# Allegro board GPS_INTERFACE_BOARD_v24_test_SFP_.brd (continued)
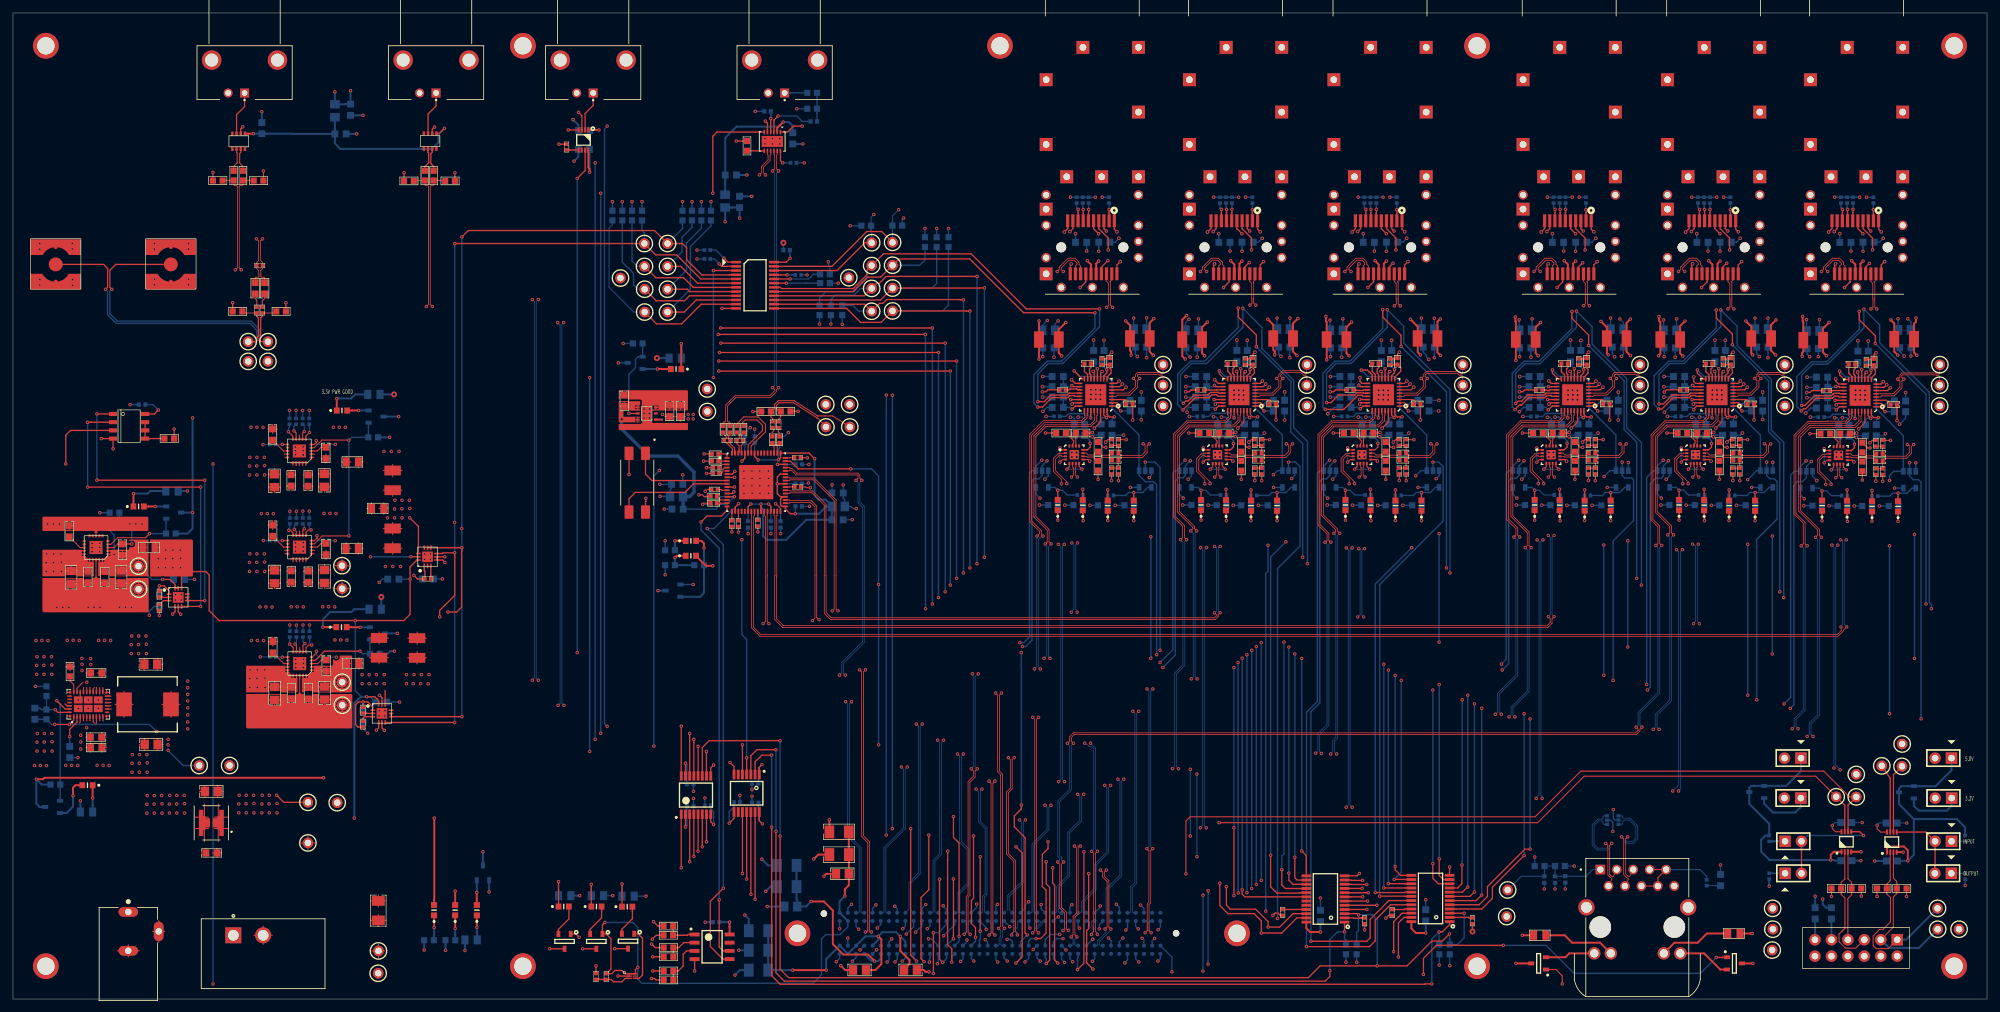
[diagram p0: board, top side]
## Footprints (pads in the part's own frame, mm; a bottom-side part is the same pattern mirrored in y, then rotated) (continued)
QFN12
  rect 0.711x0.254 smd: 1(-1.4,0.5) 2(-1.4,0) 3(-1.4,-0.5) 7(1.4,-0.5) 8(1.4,0) 9(1.4,0.5)
  rect 0.254x0.711 smd: 4(-0.5,-1.4) 5(0,-1.4) 6(0.5,-1.4) 10(0.5,1.4) 11(0,1.4) 12(-0.5,1.4)
  rect 1.651x1.651 smd: 13(0,0)
QFN20_3P65MMSQ
  rrect 0.51x0.305 smd: 1(-1.82,1) 2(-1.82,0.5) 3(-1.82,0) 4(-1.82,-0.5) 5(-1.82,-1) 11(1.82,-1) 12(1.82,-0.5) 13(1.82,0) 14(1.82,0.5) 15(1.82,1)
  rrect 0.305x0.51 smd: 6(-1,-1.82) 7(-0.5,-1.82) 8(0,-1.82) 9(0.5,-1.82) 10(1,-1.82) 16(1,1.82) 17(0.5,1.82) 18(0,1.82) 19(-0.5,1.82) 20(-1,1.82)
  rect 2.032x2.032 smd: 21(0,0)
QFN50P500X500X100-33N-S325
  rect 0.8x0.25 smd: 1(-2.45,1.75) 2(-2.45,1.25) 3(-2.45,0.75) 4(-2.45,0.25) 5(-2.45,-0.25) 6(-2.45,-0.75) 7(-2.45,-1.25) 8(-2.45,-1.75) 17(2.45,-1.75) 18(2.45,-1.25) 19(2.45,-0.75) 20(2.45,-0.25) 21(2.45,0.25) 22(2.45,0.75) 23(2.45,1.25) 24(2.45,1.75)
  rect 0.25x0.8 smd: 9(-1.75,-2.45) 10(-1.25,-2.45) 11(-0.75,-2.45) 12(-0.25,-2.45) 13(0.25,-2.45) 14(0.75,-2.45) 15(1.25,-2.45) 16(1.75,-2.45) 25(1.75,2.45) 26(1.25,2.45) 27(0.75,2.45) 28(0.25,2.45) 29(-0.25,2.45) 30(-0.75,2.45) 31(-1.25,2.45) 32(-1.75,2.45)
  rect 3.25x3.25 smd: 33(0,0)
QFN50P900X900X90-65N-S530
  rect 0.8x0.3 smd: 1(-4.5,3.75) 2(-4.5,3.25) 3(-4.5,2.75) 4(-4.5,2.25) 5(-4.5,1.75) 6(-4.5,1.25) 7(-4.5,0.75) 8(-4.5,0.25) 9(-4.5,-0.25) 10(-4.5,-0.75) 11(-4.5,-1.25) 12(-4.5,-1.75) 13(-4.5,-2.25) 14(-4.5,-2.75) 15(-4.5,-3.25) 16(-4.5,-3.75) 33(4.5,-3.75) 34(4.5,-3.25) 35(4.5,-2.75) 36(4.5,-2.25) 37(4.5,-1.75) 38(4.5,-1.25) 39(4.5,-0.75) 40(4.5,-0.25) 41(4.5,0.25) 42(4.5,0.75) 43(4.5,1.25) 44(4.5,1.75) 45(4.5,2.25) 46(4.5,2.75) 47(4.5,3.25) 48(4.5,3.75)
  rect 0.3x0.8 smd: 17(-3.75,-4.5) 18(-3.25,-4.5) 19(-2.75,-4.5) 20(-2.25,-4.5) 21(-1.75,-4.5) 22(-1.25,-4.5) 23(-0.75,-4.5) 24(-0.25,-4.5) 25(0.25,-4.5) 26(0.75,-4.5) 27(1.25,-4.5) 28(1.75,-4.5) 29(2.25,-4.5) 30(2.75,-4.5) 31(3.25,-4.5) 32(3.75,-4.5) 49(3.75,4.5) 50(3.25,4.5) 51(2.75,4.5) 52(2.25,4.5) 53(1.75,4.5) 54(1.25,4.5) 55(0.75,4.5) 56(0.25,4.5) 57(-0.25,4.5) 58(-0.75,4.5) 59(-1.25,4.5) 60(-1.75,4.5) 61(-2.25,4.5) 62(-2.75,4.5) 63(-3.25,4.5) 64(-3.75,4.5)
  rect 5.3x5.3 smd: 65(0,0)
RECPT6X2_100
  rect 1.778x1.778 hole 1.016: 1(0,0)
  round 1.778 hole 1.016: 2(2.54,0) 3(0,-2.54) 4(2.54,-2.54) 5(0,-5.08) 6(2.54,-5.08) 7(0,-7.62) 8(2.54,-7.62) 9(0,-10.16) 10(2.54,-10.16) 11(0,-12.7) 12(2.54,-12.7)
RES0402
  rect 0.55x0.6 smd: 1(-0.45,0) 2(0.45,0)
RES0603
  rect 0.95x0.95 smd: 1(-0.75,0) 2(0.75,0)
RES0805
  rect 1.1x1.4 smd: 1(-0.95,0) 2(0.95,0)
SAMTEC_ASP-134606-01
  round 1.001 hole 1.3 unplated: (-27.19,-3.05) (27.19,0)
  round 0.64 smd: C1(24.765,3.175) C2(23.495,3.175) C3(22.225,3.175) C4(20.955,3.175) C5(19.685,3.175) C6(18.415,3.175) C7(17.145,3.175) C8(15.875,3.175) C9(14.605,3.175) C10(13.335,3.175) C11(12.065,3.175) C12(10.795,3.175) C13(9.525,3.175) C14(8.255,3.175) C15(6.985,3.175) C16(5.715,3.175) C17(4.445,3.175) C18(3.175,3.175) C19(1.905,3.175) C20(0.635,3.175) C21(-0.635,3.175) C22(-1.905,3.175) C23(-3.175,3.175) C24(-4.445,3.175) C25(-5.715,3.175) C26(-6.985,3.175) C27(-8.255,3.175) C28(-9.525,3.175) C29(-10.795,3.175) C30(-12.065,3.175) C31(-13.335,3.175) C32(-14.605,3.175) C33(-15.875,3.175) C34(-17.145,3.175) C35(-18.415,3.175) C36(-19.685,3.175) C37(-20.955,3.175) C38(-22.225,3.175) C39(-23.495,3.175) C40(-24.765,3.175) D1(24.765,1.905) D2(23.495,1.905) D3(22.225,1.905) D4(20.955,1.905) D5(19.685,1.905) D6(18.415,1.905) D7(17.145,1.905) D8(15.875,1.905) D9(14.605,1.905) D10(13.335,1.905) D11(12.065,1.905) D12(10.795,1.905) D13(9.525,1.905) D14(8.255,1.905) D15(6.985,1.905) D16(5.715,1.905) D17(4.445,1.905) D18(3.175,1.905) D19(1.905,1.905) D20(0.635,1.905) D21(-0.635,1.905) D22(-1.905,1.905) D23(-3.175,1.905) D24(-4.445,1.905) D25(-5.715,1.905) D26(-6.985,1.905) D27(-8.255,1.905) D28(-9.525,1.905) D29(-10.795,1.905) D30(-12.065,1.905) D31(-13.335,1.905) D32(-14.605,1.905) D33(-15.875,1.905) D34(-17.145,1.905) D35(-18.415,1.905) D36(-19.685,1.905) D37(-20.955,1.905) D38(-22.225,1.905) D39(-23.495,1.905) D40(-24.765,1.905) G1(24.765,-1.905) G2(23.495,-1.905) G3(22.225,-1.905) G4(20.955,-1.905) G5(19.685,-1.905) G6(18.415,-1.905) G7(17.145,-1.905) G8(15.875,-1.905) G9(14.605,-1.905) G10(13.335,-1.905) G11(12.065,-1.905) G12(10.795,-1.905) G13(9.525,-1.905) G14(8.255,-1.905) G15(6.985,-1.905) G16(5.715,-1.905) G17(4.445,-1.905) G18(3.175,-1.905) G19(1.905,-1.905) G20(0.635,-1.905) G21(-0.635,-1.905) G22(-1.905,-1.905) G23(-3.175,-1.905) G24(-4.445,-1.905) G25(-5.715,-1.905) G26(-6.985,-1.905) G27(-8.255,-1.905) G28(-9.525,-1.905) G29(-10.795,-1.905) G30(-12.065,-1.905) G31(-13.335,-1.905) G32(-14.605,-1.905) G33(-15.875,-1.905) G34(-17.145,-1.905) G35(-18.415,-1.905) G36(-19.685,-1.905) G37(-20.955,-1.905) G38(-22.225,-1.905) G39(-23.495,-1.905) G40(-24.765,-1.905) H1(24.765,-3.175) H2(23.495,-3.175) H3(22.225,-3.175) H4(20.955,-3.175) H5(19.685,-3.175) H6(18.415,-3.175) H7(17.145,-3.175) H8(15.875,-3.175) H9(14.605,-3.175) H10(13.335,-3.175) H11(12.065,-3.175) H12(10.795,-3.175) H13(9.525,-3.175) H14(8.255,-3.175) H15(6.985,-3.175) H16(5.715,-3.175) H17(4.445,-3.175) H18(3.175,-3.175) H19(1.905,-3.175) H20(0.635,-3.175) H21(-0.635,-3.175) H22(-1.905,-3.175) H23(-3.175,-3.175) H24(-4.445,-3.175) H25(-5.715,-3.175) H26(-6.985,-3.175) H27(-8.255,-3.175) H28(-9.525,-3.175) H29(-10.795,-3.175) H30(-12.065,-3.175) H31(-13.335,-3.175) H32(-14.605,-3.175) H33(-15.875,-3.175) H34(-17.145,-3.175) H35(-18.415,-3.175) H36(-19.685,-3.175) H37(-20.955,-3.175) H38(-22.225,-3.175) H39(-23.495,-3.175) H40(-24.765,-3.175)
SMA_SMT
  custom 2.438x7.772 smd: 1(-2.667,0) 2(2.667,0)
  round 2.159 smd: 3(0,0)
SOIC8
  rect 1.27x0.635 smd: 1(-2.477,1.905) 2(-2.477,0.635) 3(-2.477,-0.635) 4(-2.477,-1.905) 5(2.477,-1.905) 6(2.477,-0.635) 7(2.477,0.635) 8(2.477,1.905)
SOIC127P600X175-8N
  rect 1.55x0.6 smd: 1(-2.7,1.905) 2(-2.7,0.635) 3(-2.7,-0.635) 4(-2.7,-1.905) 5(2.7,-1.905) 6(2.7,-0.635) 7(2.7,0.635) 8(2.7,1.905)
SOIC254P1016X440-4N
  custom 2.09x1.39 smd: 1(-4.54,1.27) 2(-4.54,-1.27) 3(4.54,-1.27) 4(4.54,1.27)
SON35P100X100X40-6N
  custom 0.81x0.19 smd: 1(-0.445,0.35) 2(-0.445,0) 3(-0.445,-0.35) 4(0.445,-0.35) 5(0.445,0) 6(0.445,0.35)
SOP50P310X90-8N
  rect 0.8x0.3 smd: 1(-1.55,0.75) 2(-1.55,0.25) 3(-1.55,-0.25) 4(-1.55,-0.75) 5(1.55,-0.75) 6(1.55,-0.25) 7(1.55,0.25) 8(1.55,0.75)
SOP65P640X110-24N
  rect 1.5x0.45 smd: 1(-2.95,3.575) 2(-2.95,2.925) 3(-2.95,2.275) 4(-2.95,1.625) 5(-2.95,0.975) 6(-2.95,0.325) 7(-2.95,-0.325) 8(-2.95,-0.975) 9(-2.95,-1.625) 10(-2.95,-2.275) 11(-2.95,-2.925) 12(-2.95,-3.575) 13(2.95,-3.575) 14(2.95,-2.925) 15(2.95,-2.275) 16(2.95,-1.625) 17(2.95,-0.975) 18(2.95,-0.325) 19(2.95,0.325) 20(2.95,0.975) 21(2.95,1.625) 22(2.95,2.275) 23(2.95,2.925) 24(2.95,3.575)
SOP65P640X120-14N
  rect 1.5x0.45 smd: 1(-2.9,1.95) 2(-2.9,1.3) 3(-2.9,0.65) 4(-2.9,0) 5(-2.9,-0.65) 6(-2.9,-1.3) 7(-2.9,-1.95) 8(2.9,-1.95) 9(2.9,-1.3) 10(2.9,-0.65) 11(2.9,0) 12(2.9,0.65) 13(2.9,1.3) 14(2.9,1.95)
SOP65P640X120-16N
  rect 1.45x0.45 smd: 1(-2.95,2.275) 2(-2.95,1.625) 3(-2.95,0.975) 4(-2.95,0.325) 5(-2.95,-0.325) 6(-2.95,-0.975) 7(-2.95,-1.625) 8(-2.95,-2.275) 9(2.95,-2.275) 10(2.95,-1.625) 11(2.95,-0.975) 12(2.95,-0.325) 13(2.95,0.325) 14(2.95,0.975) 15(2.95,1.625) 16(2.95,2.275)
SOT23-5
  rect 1.016x0.711 smd: 1(-1.295,0.953) 2(-1.295,0) 3(-1.295,-0.953) 4(1.295,-0.953) 5(1.295,0.953)
SOT95P230X110-3N
  rect 0.95x0.6 smd: 1(-1.15,0.95) 2(-1.15,-0.95) 3(1.15,0)
SOT363
  rect 0.61x0.508 smd: 1(-0.889,0.66) 2(-0.889,0) 3(-0.889,-0.66) 4(0.889,-0.66) 5(0.889,0) 6(0.889,0.66)
SOT-23-8
  rect 0.66x0.381 smd: 1(-1.175,0.975) 2(-1.175,0.325) 3(-1.175,-0.325) 4(-1.175,-0.975) 5(1.175,-0.975) 6(1.175,-0.325) 7(1.175,0.325) 8(1.175,0.975)
SW_L101011MS02Q
  rect 2.48x2.48 hole 1.65: 1(-4.6,2.85)
  round 2.48 hole 1.65: 2(0,2.85)
TE_1-1634612-0
  rect 1.398x1.398 hole 0.89: 1(0,0)
  round 1.398 hole 0.89: 2(0,2.54)
  round 3.015 hole 2.01: S1(5.08,5.08) S2(5.08,-5.08)
TE_6-2301994-2
  round 3.33 hole 3.33 unplated: (-5.715,0.075) (5.715,0.075)
  rect 1.488x1.488 hole 0.98: P1(-5.715,8.965)
  round 1.488 hole 0.98: P2(-4.445,6.425) P3(-3.175,8.965) P4(-1.905,6.425) P5(-0.635,8.965) P6(0.635,6.425) P7(1.905,8.965) P8(3.175,6.425) P9(4.445,8.965) P10(5.715,6.425)
  round 1.92 hole 1.28: P11(-6.645,-3.985) P12(-4.095,-3.985) P13(4.095,-3.985) P14(6.645,-3.985)
  round 2.52 hole 1.68: S1(-7.855,3.125) S2(7.855,3.125)
TE_2227023-1
  round 1.55 hole 1.55 unplated: (0,4.8) (0,-4.8)
  rect 2x0.5 smd: 1(-4.1,3.4) 2(-4.1,2.6) 3(-4.1,1.8) 4(-4.1,1) 5(-4.1,0.2) 6(-4.1,-0.6) 7(-4.1,-1.4) 8(-4.1,-2.2) 9(-4.1,-3) 10(-4.1,-3.8) 11(4.1,-3.4) 12(4.1,-2.6) 13(4.1,-1.8) 14(4.1,-1) 15(4.1,-0.2) 16(4.1,0.6) 17(4.1,1.4) 18(4.1,2.2) 19(4.1,3) 20(4.1,3.8)
  round 1.358 hole 0.85: S1(-0.9,7.125)
  round 1.458 hole 0.95: S2(1.6,7.125) S3(-3.4,7.125) S4(-8.1,7.125) S5(6.2,4.8) S6(6.2,0) S7(6.2,-4.8) S8(1.6,-7.125) S9(-3.4,-7.125) S10(-8.1,-7.125)
  rect 2x2 hole 1.05: S11(-10.9,7.125) S12(-20.9,7.125) S13(-30.9,7.125) S14(-10.9,1.45) S15(-30.9,-1.45) S16(-10.9,-3.95) S17(-25.9,-7.125) S18(-15.9,-7.125) S19(-5.9,-7.125) S20(4.1,-7.125)
TP_KEYSTONE_5000A
  round 1.65 hole 1: 1(0,0)
TSSOP_24
  rect 1.524x0.406 smd: 1(-2.92,3.575) 2(-2.92,2.925) 3(-2.92,2.275) 4(-2.92,1.625) 5(-2.92,0.975) 6(-2.92,0.325) 7(-2.92,-0.325) 8(-2.92,-0.975) 9(-2.92,-1.625) 10(-2.92,-2.275) 11(-2.92,-2.925) 12(-2.92,-3.575) 13(2.92,-3.575) 14(2.92,-2.925) 15(2.92,-2.275) 16(2.92,-1.625) 17(2.92,-0.975) 18(2.92,-0.325) 19(2.92,0.325) 20(2.92,0.975) 21(2.92,1.625) 22(2.92,2.275) 23(2.92,2.925) 24(2.92,3.575)
unnamed
  round 3.988 hole 2.692: 1(0,0)
WE-LHMI_8040
  rect 2.42x3.7 smd: 1(-3.62,0) 2(3.62,0)
WSON6
  rect 0.6x0.35 smd: 1(-1.4,0.95) 2(-1.4,0) 3(-1.4,-0.95) 4(1.4,-0.95) 5(1.4,0) 6(1.4,0.95)
  rect 1.6x2.1 smd: 7(0,0)

## Nets
12V_CONN: J7.1 S1.1
12V_FUSE: C41.1 F1.2 FL1.1 TP10.1(TP)
12V_SW: F1.1 S1.2 TP14.1(TP)
GND_IN: C41.2 FL1.4 J7.2 J7.3
GND_POWER: C3.2 C5.2 C6.2 C7.2 C8.2 C9.2 C10.1 C11.1 C12.1 C13.2 C14.1 C15.1 C16.2 C17.2 C18.1 C19.1 C20.1 C21.2 C22.2 C23.1 C24.1 C25.1 C26.1 C27.1 C28.1 C29.2 C30.1 C31.1 C32.1 C33.1 C40.2 C42.2 C43.2 C44.2 C45.2 C49.2 C50.2 C52.2 C53.2 C54.2 C55.2 C57.2 C58.1 C59.2 C60.2 C61.2 C62.2 C63.2 C65.2 C66.2 C67.2 C69.1 C70.2 C71.2 C72.2 C73.2 C74.2 C76.2 C77.2 C78.2 C79.2 C80.2 C81.2 C82.2 C84.1 C85.2 C86.2 C97.2 C98.2 C99.2 C100.2 C101.2 C102.2 C103.2 C104.2 C105.2 C106.2 C107.2 C108.2 C109.1 C110.1 C111.2 C112.2 C113.2 C114.2 C115.2 C116.2 C117.2 C119.2 C123.1 C127.2 C128.2 C129.2 C132.2 C133.2 C134.1 C135.1 C136.1 C137.1 C138.2 C139.2 C142.1 C143.1 C144.1 C145.1 C146.1 C147.2 C148.2 C149.2 C150.2 C151.2 C153.1 C154.2 C155.2 C156.2 C157.1 C158.1 C159.1 C160.1 C161.2 C162.2 C165.1 C166.1 C167.1 C168.1 C169.1 C170.2 C171.2 C172.2 C173.2 C174.2 C176.1 C177.2 C178.2 C179.2 C180.1 C181.1 C182.1 C183.1 C184.2 C185.2 C188.1 C189.1 C190.1 C191.1 C192.1 C193.2 C194.2 C195.2 C196.2 C197.2 C199.1 C200.2 C201.2 C202.2 C203.1 C204.1 C205.1 C206.1 C207.2 C208.2 C211.1 C212.1 C213.1 C214.1 C215.1 C216.2 C217.2 C218.2 C219.2 C220.2 C222.1 C223.2 C224.2 C225.2 C226.1 C227.1 C228.1 C229.1 C230.2 C231.2 C234.1 C235.1 C236.1 C237.1 C238.1 C239.2 C240.2 C241.2 C242.2 C243.2 C245.1 C246.2 C247.2 C248.2 C249.1 C250.1 C251.1 C252.1 C253.2 C254.2 C257.1 C258.1 C259.1 C260.1 C261.1 C262.2 C263.2 C264.2 C265.2 C266.2 C268.1 C269.2 C270.1 C271.1 C272.1 C274.2 C275.2 FL1.3 IC1.3 IC1.4 IC2.65 IC3.4(VSS) IC4.4 IC5.4 IC9.12 IC11.12 J1.2 J1.S1 J1.S2 J2.1 J2.2 J3.1 J3.2 J4.2 J4.S1 J4.S2 J5.2 J5.S1 J5.S2 J6.2 J6.S1 J6.S2 J8.C1 J8.C4 J8.C5 J8.C9 J8.C12 J8.C13 J8.C16 J8.C17 J8.C20 J8.C21 J8.C24 J8.C25 J8.C28 J8.C29 J8.C32 J8.C33 J8.C34 J8.C36 J8.C38 J8.C40 J8.D2 J8.D3 J8.D6 J8.D7 J8.D10 J8.D13 J8.D16 J8.D19 J8.D22 J8.D25 J8.D28 J8.D34 J8.D37 J8.D39 J8.G1 J8.G4 J8.G5 J8.G8 J8.G11 J8.G14 J8.G17 J8.G20 J8.G23 J8.G26 J8.G29 J8.G32 J8.G35 J8.G38 J8.G40 J8.H3 J8.H6 J8.H9 J8.H12 J8.H15 J8.H18 J8.H21 J8.H24 J8.H27 J8.H30 J8.H33 J8.H36 J8.H39 J17.P10 J17.S1 J17.S2(SHIELD_1) J18.1 J18.9 J18.10 J18.11 J18.14 J18.17 J18.20(VEET2) J18.S1 J18.S2 J18.S3 J18.S4 J18.S5 J18.S6 J18.S7 J18.S8 J18.S9 J18.S10 J18.S11 J18.S12 J18.S13 J18.S14 J18.S15 J18.S16 J18.S17 J18.S18 J18.S19 J18.S20 J19.1 J19.9 J19.10 J19.11 J19.14 J19.17 J19.20(VEET2) J19.S1 J19.S2 J19.S3 J19.S4 J19.S5 J19.S6 J19.S7 J19.S8 J19.S9 J19.S10 J19.S11 J19.S12 J19.S13 J19.S14 J19.S15 J19.S16 J19.S17 J19.S18 J19.S19 J19.S20 J20.1 J20.9 J20.10 J20.11 J20.14 J20.17 J20.20(VEET2) J20.S1 J20.S2 J20.S3 J20.S4 J20.S5 J20.S6 J20.S7 J20.S8 J20.S9 J20.S10 J20.S11 J20.S12 J20.S13 J20.S14 J20.S15 J20.S16 J20.S17 J20.S18 J20.S19 J20.S20 J21.1 J21.9 J21.10 J21.11 J21.14 J21.17 J21.20(VEET2) J21.S1 J21.S2 J21.S3 J21.S4 J21.S5 J21.S6 J21.S7 J21.S8 J21.S9 J21.S10 J21.S11 J21.S12 J21.S13 J21.S14 J21.S15 J21.S16 J21.S17 J21.S18 J21.S19 J21.S20 J22.1 J22.9 J22.10 J22.11 J22.14 J22.17 J22.20(VEET2) J22.S1 J22.S2 J22.S3 J22.S4 J22.S5 J22.S6 J22.S7 J22.S8 J22.S9 J22.S10 J22.S11 J22.S12 J22.S13 J22.S14 J22.S15 J22.S16 J22.S17 J22.S18 J22.S19 J22.S20 J23.1 J23.9 J23.10 J23.11 J23.14 J23.17 J23.20(VEET2) J23.S1 J23.S2 J23.S3 J23.S4 J23.S5 J23.S6 J23.S7 J23.S8 J23.S9 J23.S10 J23.S11 J23.S12 J23.S13 J23.S14 J23.S15 J23.S16 J23.S17 J23.S18 J23.S19 J23.S20 P1.2 P1.4 P1.6 P1.8 P1.10 P1.12 R1.2 R4.2 R7.2 R8.2 R9.2 R13.2 R14.2 R17.2 R18.2 R19.1 R20.1 R21.1 R22.1 R23.1 R25.1 R26.1 R29.2 R30.2 R33.2 R34.2 R36.2 R37.2 R39.1 R42.2 R43.1 R44.2 R47.2 R49.1 R51.2 R57.2 R62.2 R63.2 R64.2 R65.2 R66.2 R67.2 R68.2 R69.2 R70.2 R71.1 R72.1 R73.1 R74.2 R79.2 R80.2 R93.2 R94.2 R95.2 R104.2 R105.2 R106.2 R108.2 R109.2 R110.2 R112.2 R113.2 R114.2 R115.2 R117.2 R118.2 R123.2 R126.2 R128.1 R132.2 R133.2 R134.1 R135.2 R136.2 R138.2 R139.2 R144.2 R147.2 R149.1 R153.2 R154.2 R155.1 R156.2 R157.2 R159.2 R160.2 R165.2 R168.2 R170.1 R174.2 R175.2 R176.1 R177.2 R178.2 R180.2 R181.2 R186.2 R189.2 R191.1 R195.2 R196.2 R197.1 R198.2 R199.2 R201.2 R202.2 R207.2 R210.2 R212.1 R216.2 R217.2 R218.1 R219.2 R220.2 R222.2 R223.2 R228.2 R231.2 R233.1 R237.2 R238.2 R239.1 R240.2 R241.2 R243.2 R244.2 R248.2 R249.2 R250.2 R253.2 R255.2 R256.2 R257.2 R258.2 R259.2 R260.2 R261.2 R262.2 R263.2 TP3.1(TP) TP4.1(TP) TP6.1(TP) TP7.1(TP) TP12.1(TP) TP13.1(TP) TP16.1(TP) TP18.1(TP) TP20.1(TP) TP21.1(TP) TP23.1(TP) TP28.1(TP) TP62.1(TP) TP64.1(TP) TP66.1(TP) TP68.1(TP) TP70.1(TP) TP72.1(TP) TP75.1(TP) TP80.1(TP) TP81.1(TP) TP86.1(TP) TP87.1(TP) TP89.1(TP) U1.5 U1.13 U2.2 U3.2 U4.3 U4.7 U5.2 U6.3 U6.7 U6.8 U6.9 U6.10 U6.17 U6.18 U6.19 U6.20 U6.24 U6.30 U6.33 U6.34 U6.35 U6.36 U6.37 U6.38 U6.39 U6.40 U6.41 U6.42 U7.8 U7.18 U7.21 U8.4 U8.5 U8.13 U9.8 U9.18 U9.21 U10.4 U10.5 U10.13 U11.8 U11.18 U11.21 U12.8 U12.18 U12.21 U13.4 U13.5 U13.13 U16.2 U17.7 U18.9 U19.12 U22.9 U22.17 U23.6 U23.7 U23.8 U23.11 U23.13 U23.17 U23.23 U23.30 U23.33 U24.3 U25.3 U26.9 U26.17 U27.6 U27.7 U27.8 U27.11 U27.13 U27.17 U27.23 U27.30 U27.33 U28.3 U29.3 U30.9 U30.17 U31.6 U31.7 U31.8 U31.11 U31.13 U31.17 U31.23 U31.30 U31.33 U32.3 U33.3 U34.9 U34.17 U35.6 U35.7 U35.8 U35.11 U35.13 U35.17 U35.23 U35.30 U35.33 U36.3 U37.3 U38.9 U38.17 U39.6 U39.7 U39.8 U39.11 U39.13 U39.17 U39.23 U39.30 U39.33 U40.3 U41.3 U42.9 U42.17 U43.6 U43.7 U43.8 U43.11 U43.13 U43.17 U43.23 U43.30 U43.33 U44.3 U45.3 U46.4
VCC2V5: C6.1 C81.1 C82.1 C110.2 C111.1 C115.1 C119.1 C138.1 C139.1 C161.1 C162.1 C184.1 C185.1 C207.1 C208.1 C230.1 C231.1 C253.1 C254.1 IC1.8(VCCB) IC4.8(VCCB) IC5.8(VCCB) Q9.1 R58.2 R82.2 R116.2 R119.1 R120.1 R130.1 R140.1 R141.1 R151.1 R161.1 R162.1 R172.1 R182.1 R183.1 R193.1 R203.1 R204.1 R214.1 R224.1 R225.1 R235.1 U5.5(VDD) U13.10 U17.14(VCCB) U18.2 U22.12 U26.12 U30.12 U34.12 U38.12 U42.12
VCC3V3: C7.1 C13.1 C22.1 C66.1 C67.1 C108.1 C109.2 C112.1 C113.1 C117.1 C132.1 C133.1 C142.2 C143.2 C144.2 C145.2 C146.2 C147.1 C148.1 C149.1 C150.1 C151.1 C155.1 C156.1 C165.2 C166.2 C167.2 C168.2 C169.2 C170.1 C171.1 C172.1 C173.1 C174.1 C178.1 C179.1 C188.2 C189.2 C190.2 C191.2 C192.2 C193.1 C194.1 C195.1 C196.1 C197.1 C201.1 C202.1 C211.2 C212.2 C213.2 C214.2 C215.2 C216.1 C217.1 C218.1 C219.1 C220.1 C224.1 C225.1 C234.2 C235.2 C236.2 C237.2 C238.2 C239.1 C240.1 C241.1 C242.1 C243.1 C247.1 C248.1 C257.2 C258.2 C259.2 C260.2 C261.2 C262.1 C263.1 C264.1 C265.1 C266.1 C270.2 C271.2 C272.2 D1.2 D12.2 D16.2 D18.2 D20.2 D22.2 D24.2 D26.2 D28.2 D30.2 D32.2 D34.2 D36.2 D38.2 IC3.8 IC9.24(VCC) IC11.24(VCC) J9.2 J25.2 L1.1 L3.1 L5.1 L7.1 L8.1 L9.1 L10.1 L11.1 L12.1 L13.1 L14.1 L15.1 L16.1 L17.1 L18.1 P1.9 Q1.3 Q3.3 Q4.3 Q5.3 Q6.3 Q7.3 Q8.3 Q9.3 Q10.3 Q11.3 Q12.3 Q14.3 R24.1 R38.2 R40.2 R50.2 R53.2 R56.2 R61.2 R75.2 R76.2 R77.2 R81.2 R83.1 R84.1 R85.1 R86.1 R87.1 R88.1 R89.1 R90.1 R91.1 R92.1 R96.2 R97.2 R98.2 R99.2 R100.2 R101.2 R102.2 R103.2 R121.1 R122.1 R124.1 R125.1 R127.1 R129.1 R142.1 R143.1 R145.1 R146.1 R148.1 R150.1 R163.1 R164.1 R166.1 R167.1 R169.1 R171.1 R184.1 R185.1 R187.1 R188.1 R190.1 R192.1 R205.1 R206.1 R208.1 R209.1 R211.1 R213.1 R226.1 R227.1 R229.1 R230.1 R232.1 R234.1 R245.2 R246.2 R247.2 R251.2 R252.2 U10.10 U17.1 U18.15(VCCB) U19.24(VCC) U23.1 U23.2 U23.10 U23.12 U23.18 U23.24 U23.31 U23.32 U24.5 U25.5 U27.1 U27.2 U27.10 U27.12 U27.18 U27.24 U27.31 U27.32 U28.5 U29.5 U31.1 U31.2 U31.10 U31.12 U31.18 U31.24 U31.31 U31.32 U32.5 U33.5 U35.1 U35.2 U35.10 U35.12 U35.18 U35.24 U35.31 U35.32 U36.5 U37.5 U39.1 U39.2 U39.10 U39.12 U39.18 U39.24 U39.31 U39.32 U40.5 U41.5 U43.1 U43.2 U43.10 U43.12 U43.18 U43.24 U43.31 U43.32 U44.5 U45.5 U46.8(VCC)
VCC3V3_LFILT: C8.1 C9.1 L1.2 U1.2(VCC)
VCC5V: C5.1 C10.2 C69.2 C84.2 C116.1 D11.2 IC1.1 J10.2 J24.2 L2.1 P1.11 R10.1 R45.2 U8.10 U10.12(VDD) U13.12(VDD)
VCC5V_LFILT: C11.2 C12.2 L2.2 U2.1(VCC) U3.1(VCC)
VCCR_SFP INTERFACE_SFP1: C134.2 C135.2 J18.15 L7.2
VCCR_SFP INTERFACE_SFP2: C157.2 C158.2 J19.15 L9.2
VCCR_SFP INTERFACE_SFP3: C180.2 C181.2 J20.15 L11.2
VCCR_SFP INTERFACE_SFP4: C203.2 C204.2 J21.15 L13.2
VCCR_SFP INTERFACE_SFP5: C226.2 C227.2 J22.15 L15.2
VCCR_SFP INTERFACE_SFP6: C249.2 C250.2 J23.15 L17.2
VCCT_SFP INTERFACE_SFP1: C136.2 C137.2 J18.16 L8.2
VCCT_SFP INTERFACE_SFP2: C159.2 C160.2 J19.16 L10.2
VCCT_SFP INTERFACE_SFP3: C182.2 C183.2 J20.16 L12.2
VCCT_SFP INTERFACE_SFP4: C205.2 C206.2 J21.16 L14.2
VCCT_SFP INTERFACE_SFP5: C228.2 C229.2 J22.16 L16.2
VCCT_SFP INTERFACE_SFP6: C251.2 C252.2 J23.16 L18.2
VDD_FILT: C18.2 C19.2 C20.2 C21.1 C275.1 IC2.32 IC2.46 IC2.60 TP88.1(TP) U4.1(VOUT)
VDD_PG: Q7.1 R38.1 U4.5
VDDA_FILT: C14.2 C15.2 C16.1 C274.1 IC2.13 L3.2 U4.4 U4.6
VDDO8: IC2.52
VDDO_FILT: C23.2 C24.2 C25.2 C26.2 C27.2 C28.2 C29.1 IC2.22 IC2.26 IC2.29 IC2.33 IC2.36 IC2.40 IC2.43 IC2.49 IC2.57 L5.2
A0_1: IC11.21 R248.1
A0_2: IC9.21 R247.1
A0_2V5: R59.2 U13.2
A0_3V3: R55.2 U10.3
A0_5V: R48.2 U8.2
A0_BID: IC3.1 R73.2 R77.1
A1_1: IC11.2 R249.1
A1_2: IC9.2 R250.1
A1_2V5: R60.2 U13.3
A1_5V: R49.2 U8.3
A1_BID: IC3.2 R72.2 R76.1
A2_BID: IC3.3 R71.2 R75.1
BNC_DIR: IC5.5 J15.2 J16.2
BNC_VCCA: C45.1 IC5.1 J24.1 Q13.1 Q13.3 R111.2
CDR_ADDR_SFP INTERFACE_SFP1: R136.1 U23.19
CDR_ADDR_SFP INTERFACE_SFP2: R157.1 U27.19
CDR_ADDR_SFP INTERFACE_SFP3: R178.1 U31.19
CDR_ADDR_SFP INTERFACE_SFP4: R199.1 U35.19
CDR_ADDR_SFP INTERFACE_SFP5: R220.1 U39.19
CDR_ADDR_SFP INTERFACE_SFP6: R241.1 U43.19
CLK312_SCOPE_N: R28.2 R30.1 TP8.1(TP)
CLK312_SCOPE_P: R27.2 R29.1 TP5.1(TP)
CLK_FDBACK_N: C37.2 IC2.62 R31.2
CLK_FDBACK_P: C36.2 IC2.61 R31.1
CLK_TO_SFP.CLK_TO_SFP_N0: IC2.23 U22.7
CLK_TO_SFP.CLK_TO_SFP_N1: IC2.27 U26.7
CLK_TO_SFP.CLK_TO_SFP_N2: IC2.30 U30.7
CLK_TO_SFP.CLK_TO_SFP_N3: IC2.34 U34.7
CLK_TO_SFP.CLK_TO_SFP_N4: IC2.37 U38.7
CLK_TO_SFP.CLK_TO_SFP_N5: IC2.41 U42.7
CLK_TO_SFP.CLK_TO_SFP_P0: IC2.24 U22.6
CLK_TO_SFP.CLK_TO_SFP_P1: IC2.28 U26.6
CLK_TO_SFP.CLK_TO_SFP_P2: IC2.31 U30.6
CLK_TO_SFP.CLK_TO_SFP_P3: IC2.35 U34.6
CLK_TO_SFP.CLK_TO_SFP_P4: IC2.38 U38.6
CLK_TO_SFP.CLK_TO_SFP_P5: IC2.42 U42.6
CML_SFP_TD_N_SFP INTERFACE_SFP1: C141.1 R120.2 U22.10
CML_SFP_TD_N_SFP INTERFACE_SFP2: C164.1 R141.2 U26.10
CML_SFP_TD_N_SFP INTERFACE_SFP3: C187.1 R162.2 U30.10
CML_SFP_TD_N_SFP INTERFACE_SFP4: C210.1 R183.2 U34.10
CML_SFP_TD_N_SFP INTERFACE_SFP5: C233.1 R204.2 U38.10
CML_SFP_TD_N_SFP INTERFACE_SFP6: C256.1 R225.2 U42.10
CML_SFP_TD_P_SFP INTERFACE_SFP1: C140.1 R119.2 U22.11
CML_SFP_TD_P_SFP INTERFACE_SFP2: C163.1 R140.2 U26.11
CML_SFP_TD_P_SFP INTERFACE_SFP3: C186.1 R161.2 U30.11
CML_SFP_TD_P_SFP INTERFACE_SFP4: C209.1 R182.2 U34.11
CML_SFP_TD_P_SFP INTERFACE_SFP5: C232.1 R203.2 U38.11
CML_SFP_TD_P_SFP INTERFACE_SFP6: C255.1 R224.2 U42.11
FB_2V5: C83.2 U12.3
FB_3V3_1: C64.2 U9.3
FB_3V3_2: C75.2 U11.3
FB_5V: C56.2 R46.2 R47.1 U7.3
FB_5V5: C51.2 R36.1 R41.2 U6.32
FMC.CLK_FILTER_A: U1.1 U18.16
FMC.CLK_FILTER_B: U1.6 U18.14
FMC.CLK_GEN_INTR*: IC2.12 U17.4
FMC.CLK_GEN_LOL*: IC2.47 Q1.1 U17.5
FMC.CLK_GEN_RST*: IC2.6 U18.12
FMC.CLK_TO_FPGA_N: IC2.44 J8.G3
FMC.CLK_TO_FPGA_P: IC2.45 J8.G2
FMC.DATA_TO_FF_N0: J8.H8 U22.3
FMC.DATA_TO_FF_N1: J8.H11 U26.3
FMC.DATA_TO_FF_N2: J8.H14 U30.3
FMC.DATA_TO_FF_N3: J8.H17 U34.3
FMC.DATA_TO_FF_N4: J8.H20 U38.3
FMC.DATA_TO_FF_N5: J8.H23 U42.3
FMC.DATA_TO_FF_P0: J8.H7 U22.2
FMC.DATA_TO_FF_P1: J8.H10 U26.2
FMC.DATA_TO_FF_P2: J8.H13 U30.2
FMC.DATA_TO_FF_P3: J8.H16 U34.2
FMC.DATA_TO_FF_P4: J8.H19 U38.2
FMC.DATA_TO_FF_P5: J8.H22 U42.2
FMC.FPGA_CLK_FILTER_A: J8.C14 U18.1
FMC.FPGA_CLK_FILTER_B: J8.C15 U18.3
FMC.FPGA_CLK_GEN_INTR*: J8.C27 U17.11
FMC.FPGA_CLK_GEN_LOL*: J8.C10 U17.10
FMC.FPGA_CLK_GEN_RST*: J8.C26 U18.5
FMC.FPGA_GPS_CLK_EN*: J8.C11 U18.4
FMC.FPGA_I2C_EXT_INT0*: J8.D14 U17.13
FMC.FPGA_I2C_EXT_INT1*: J8.D15 U17.12
FMC.FPGA_I2C_EXT_RST*: J8.C18 U18.6
FMC.FPGA_I2C_SW_RST*: J8.D17 U18.7
FMC.FPGA_IO_VOLTAGE: C105.1 C106.1 C107.1 J8.G39(VCC_IO_2) J8.H40 Q11.1 R78.1 U16.1 U16.6(VCC)
FMC.GPS_CLK_EN*: R1.1 U1.12 U18.13
FMC.GPS_IRIGB: IC1.7 J8.D18
FMC.GPS_PPS_N: J8.H5 R12.2 R14.1
FMC.GPS_PPS_P: J8.H4 R11.2 R13.1
FMC.GPS_SYNC_OUT_N: J8.D21 R16.2 R18.1
FMC.GPS_SYNC_OUT_P: J8.D20 R15.2 R17.1
FMC.I2C_EXT_INT0*: IC11.1 R251.1 U17.2
FMC.I2C_EXT_INT1*: IC9.1 R252.1 U17.3
FMC.I2C_EXT_RST*: IC9.3 IC11.3 R245.1 R246.1 U18.11
FMC.PWR_GOOD: J8.D1 Q8.1
FMC.RECOV_CLK_N0: J8.G10 U23.25
FMC.RECOV_CLK_N1: J8.G13 U27.25
FMC.RECOV_CLK_N2: J8.G16 U31.25
FMC.RECOV_CLK_N3: J8.G19 U35.25
FMC.RECOV_CLK_N4: J8.G22 U39.25
FMC.RECOV_CLK_N5: J8.G25 U43.25
FMC.RECOV_CLK_P0: J8.G9 U23.26
FMC.RECOV_CLK_P1: J8.G12 U27.26
FMC.RECOV_CLK_P2: J8.G15 U31.26
FMC.RECOV_CLK_P3: J8.G18 U35.26
FMC.RECOV_CLK_P4: J8.G21 U39.26
FMC.RECOV_CLK_P5: J8.G24 U43.26
FMC.RECOV_DATA_N0: J8.H26 U23.28
FMC.RECOV_DATA_N1: J8.H29 U27.28
FMC.RECOV_DATA_N2: J8.H32 U31.28
FMC.RECOV_DATA_N3: J8.H35 U35.28
FMC.RECOV_DATA_N4: J8.H38 U39.28
FMC.RECOV_DATA_N5: J8.G37 U43.28
FMC.RECOV_DATA_P0: J8.H25 U23.29
FMC.RECOV_DATA_P1: J8.H28 U27.29
FMC.RECOV_DATA_P2: J8.H31 U31.29
FMC.RECOV_DATA_P3: J8.H34 U35.29
FMC.RECOV_DATA_P4: J8.H37 U39.29
FMC.RECOV_DATA_P5: J8.G36 U43.29
FMC.SCL0: IC2.16 IC3.6 IC9.22 IC11.22 R90.2 TP45.1(TP) U8.6 U10.6 U13.6 U19.5 U46.2
FMC.SCL1: J18.5 R88.2 TP43.1(TP) U19.7 U23.20
FMC.SCL2: J19.5 R86.2 TP41.1(TP) U19.9 U27.20
FMC.SCL3: J20.5 R84.2 TP39.1(TP) U19.11 U31.20
FMC.SCL4: J21.5 R96.1 TP33.1(TP) U19.14 U35.20
FMC.SCL5: J22.5 R98.1 TP31.1(TP) U19.16 U39.20
FMC.SCL6: J23.5 R100.1 TP34.1(TP) U19.18 U43.20
FMC.SCL_FPGA: J8.C30 R91.2 TP25.1(TP) U19.22
FMC.SDA0: IC2.18 IC3.5 IC9.23 IC11.23 R89.2 TP44.1(TP) U8.7 U8.8 U10.7 U10.8 U13.7 U13.8 U19.4 U46.1
FMC.SDA1: J18.4 R87.2 TP42.1(TP) U19.6 U23.21
FMC.SDA2: J19.4 R85.2 TP40.1(TP) U19.8 U27.21
FMC.SDA3: J20.4 R83.2 TP38.1(TP) U19.10 U31.21
FMC.SDA4: J21.4 R97.1 TP32.1(TP) U19.13 U35.21
FMC.SDA5: J22.4 R99.1 TP30.1(TP) U19.15 U39.21
FMC.SDA6: J23.4 R101.1 TP35.1(TP) U19.17 U43.21
FMC.SDA_FPGA: J8.C31 R92.2 TP26.1(TP) U19.23
FMC.SFP_TX_DISABLE0: IC9.13 J18.3
FMC.SFP_TX_DISABLE1: IC9.14 J19.3
FMC.SFP_TX_DISABLE2: IC9.15 J20.3
FMC.SFP_TX_DISABLE3: IC9.16 J21.3
FMC.SFP_TX_DISABLE4: IC9.17 J22.3
FMC.SFP_TX_DISABLE5: IC9.18 J23.3
FMC.SPARE_BNC_0: IC5.7 J8.D23 TP82.1(TP)
FMC.SPARE_BNC_1: IC5.6 J8.D24 TP83.1(TP)
FMC.SPARE_LEMO_0: IC4.7 J8.D26 TP84.1(TP)
FMC.SPARE_LEMO_1: IC4.6 J8.D27 TP85.1(TP)
FMC.SPARE_RJ45_0_N: J8.D9 J17.P3 U5.3
FMC.SPARE_RJ45_0_P: J8.D8 J17.P2 U5.1
FMC.SPARE_RJ45_1_N: J8.D12 J17.P5 U5.6
FMC.SPARE_RJ45_1_P: J8.D11 J17.P4 U5.4
FMC.SPARE_RJ45_LED_0: J8.G30 Q10.1
FMC.SPARE_RJ45_LED_1: J8.G31 Q14.1
FMC.TEMP_INTR*: J8.G27 U46.3
FPGA_3V3: C100.1 C101.1 C102.1 C103.1 C104.1 J8.C39 J8.D32 J8.D36 J8.D38 J8.D40
FPGA_12V: C97.1 C98.1 C99.1 J8.C35 J8.C37
GPS_CLK10_N: C39.2 IC2.64 R35.2
GPS_CLK10_P: C38.2 IC2.63 R35.1
GPS_CLK_IN: J1.1(SIG) R2.1
GPS_CLK_SCOPE_N: J3.3 R6.2 R8.1 TP2.1(TP)
GPS_CLK_SCOPE_P: J2.3 R3.2 R7.1 TP1.1(TP)
GPS_GROUP.GPS_CLK_N: C39.1 U1.10
GPS_GROUP.GPS_CLK_P: C38.1 U1.11
GPS_IRIGB_IN: IC1.2 J4.1(SIG)
GPS_PPS_IN: J5.1(SIG) U2.3
GPS_SYNC_IN: J6.1(SIG) U3.3
I2C_SW_RST*: U18.10 U19.3
INTVCC_2V5: C86.1 R59.1 R60.1 U13.1
INTVCC_3V3: C74.1 R55.1 U10.1
INTVCC_5V: C59.1 R48.1 U8.1
LED_0: J17.P11 Q10.2(S)
LED_1: J17.P14 Q14.2(S)
LEMO_DIR: IC4.5 J11.2 J12.2
LEMO_VCCA: C114.1 IC4.1 J10.1 Q2.1 Q2.3 R107.2
MOD_ABS_SFP INTERFACE_SFP1: J18.6 R127.2
MOD_ABS_SFP INTERFACE_SFP2: J19.6 R148.2
MOD_ABS_SFP INTERFACE_SFP3: J20.6 R169.2
MOD_ABS_SFP INTERFACE_SFP4: J21.6 R190.2
MOD_ABS_SFP INTERFACE_SFP5: J22.6 R211.2
MOD_ABS_SFP INTERFACE_SFP6: J23.6 R232.2
N01450_SFP INTERFACE_SFP1: C152.1 U23.14
N01450_SFP INTERFACE_SFP2: C175.1 U27.14
N01450_SFP INTERFACE_SFP3: C198.1 U31.14
N01450_SFP INTERFACE_SFP4: C221.1 U35.14
N01450_SFP INTERFACE_SFP5: C244.1 U39.14
N01450_SFP INTERFACE_SFP6: C267.1 U43.14
N01454_SFP INTERFACE_SFP1: C152.2 U23.15
N01454_SFP INTERFACE_SFP2: C175.2 U27.15
N01454_SFP INTERFACE_SFP3: C198.2 U31.15
N01454_SFP INTERFACE_SFP4: C221.2 U35.15
N01454_SFP INTERFACE_SFP5: C244.2 U39.15
N01454_SFP INTERFACE_SFP6: C267.2 U43.15
N04910_SFP INTERFACE_SFP1: U22.1 U22.4
N04910_SFP INTERFACE_SFP2: U26.1 U26.4
N04910_SFP INTERFACE_SFP3: U30.1 U30.4
N04910_SFP INTERFACE_SFP4: U34.1 U34.4
N04910_SFP INTERFACE_SFP5: U38.1 U38.4
N04910_SFP INTERFACE_SFP6: U42.1 U42.4
N04977_SFP INTERFACE_SFP1: U22.5 U22.8
N04977_SFP INTERFACE_SFP2: U26.5 U26.8
N04977_SFP INTERFACE_SFP3: U30.5 U30.8
N04977_SFP INTERFACE_SFP4: U34.5 U34.8
N04977_SFP INTERFACE_SFP5: U38.5 U38.8
N04977_SFP INTERFACE_SFP6: U42.5 U42.8
N136741_SFP INTERFACE_SFP1: D17.1(CATHODE) R132.1
N136741_SFP INTERFACE_SFP2: D21.1(CATHODE) R153.1
N136741_SFP INTERFACE_SFP3: D25.1(CATHODE) R174.1
N136741_SFP INTERFACE_SFP4: D29.1(CATHODE) R195.1
N136741_SFP INTERFACE_SFP5: D33.1(CATHODE) R216.1
N136741_SFP INTERFACE_SFP6: D37.1(CATHODE) R237.1
N141568_SFP INTERFACE_SFP1: D17.2 R131.2 U24.4(Y)
N141568_SFP INTERFACE_SFP2: D21.2 R152.2 U28.4(Y)
N141568_SFP INTERFACE_SFP3: D25.2 R173.2 U32.4(Y)
N141568_SFP INTERFACE_SFP4: D29.2 R194.2 U36.4(Y)
N141568_SFP INTERFACE_SFP5: D33.2 R215.2 U40.4(Y)
N141568_SFP INTERFACE_SFP6: D37.2 R236.2 U44.4(Y)
N210584_SFP INTERFACE_SFP1: D16.1(K) R131.1 R133.1
N210584_SFP INTERFACE_SFP2: D20.1(K) R152.1 R154.1
N210584_SFP INTERFACE_SFP3: D24.1(K) R173.1 R175.1
N210584_SFP INTERFACE_SFP4: D28.1(K) R194.1 R196.1
N210584_SFP INTERFACE_SFP5: D32.1(K) R215.1 R217.1
N210584_SFP INTERFACE_SFP6: D36.1(K) R236.1 R238.1
N222361_SFP INTERFACE_SFP1: D18.1(K) R137.1 R139.1
N222361_SFP INTERFACE_SFP2: D22.1(K) R158.1 R160.1
N222361_SFP INTERFACE_SFP3: D26.1(K) R179.1 R181.1
N222361_SFP INTERFACE_SFP4: D30.1(K) R200.1 R202.1
N222361_SFP INTERFACE_SFP5: D34.1(K) R221.1 R223.1
N222361_SFP INTERFACE_SFP6: D38.1(K) R242.1 R244.1
N222457_SFP INTERFACE_SFP1: D19.2 R137.2 U25.4(Y)
N222457_SFP INTERFACE_SFP2: D23.2 R158.2 U29.4(Y)
N222457_SFP INTERFACE_SFP3: D27.2 R179.2 U33.4(Y)
N222457_SFP INTERFACE_SFP4: D31.2 R200.2 U37.4(Y)
N222457_SFP INTERFACE_SFP5: D35.2 R221.2 U41.4(Y)
N222457_SFP INTERFACE_SFP6: D39.2 R242.2 U45.4(Y)
N222469_SFP INTERFACE_SFP1: D19.1(CATHODE) R138.1
N222469_SFP INTERFACE_SFP2: D23.1(CATHODE) R159.1
N222469_SFP INTERFACE_SFP3: D27.1(CATHODE) R180.1
N222469_SFP INTERFACE_SFP4: D31.1(CATHODE) R201.1
N222469_SFP INTERFACE_SFP5: D35.1(CATHODE) R222.1
N222469_SFP INTERFACE_SFP6: D39.1(CATHODE) R243.1
PG_2V5: Q6.1 R61.1 U12.4
PG_3V3: Q5.1 R56.1 U9.4 U11.4
PG_5V: Q4.1 R50.1 U7.4
PG_5V5: Q3.1 R40.1 U6.31
R_N_SFP INTERFACE_SFP1: R130.2 U22.15
R_N_SFP INTERFACE_SFP2: R151.2 U26.15
R_N_SFP INTERFACE_SFP3: R172.2 U30.15
R_N_SFP INTERFACE_SFP4: R193.2 U34.15
R_N_SFP INTERFACE_SFP5: R214.2 U38.15
R_N_SFP INTERFACE_SFP6: R235.2 U42.15
R_P_SFP INTERFACE_SFP1: R128.2 U22.14
R_P_SFP INTERFACE_SFP2: R149.2 U26.14
R_P_SFP INTERFACE_SFP3: R170.2 U30.14
R_P_SFP INTERFACE_SFP4: R191.2 U34.14
R_P_SFP INTERFACE_SFP5: R212.2 U38.14
R_P_SFP INTERFACE_SFP6: R233.2 U42.14
RS_SFP INTERFACE_SFP1: J18.7 R129.2
RS_SFP INTERFACE_SFP2: J19.7 R150.2
RS_SFP INTERFACE_SFP3: J20.7 R171.2
RS_SFP INTERFACE_SFP4: J21.7 R192.2
RS_SFP INTERFACE_SFP5: J22.7 R213.2
RS_SFP INTERFACE_SFP6: J23.7 R234.2
RT_5V5: R42.1 U6.26
SFP_RD_N_SFP INTERFACE_SFP1: J18.12 TP56.1(TP) U23.4
SFP_RD_N_SFP INTERFACE_SFP2: J19.12 TP57.1(TP) U27.4
SFP_RD_N_SFP INTERFACE_SFP3: J20.12 TP58.1(TP) U31.4
SFP_RD_N_SFP INTERFACE_SFP4: J21.12 TP59.1(TP) U35.4
SFP_RD_N_SFP INTERFACE_SFP5: J22.12 TP60.1(TP) U39.4
SFP_RD_N_SFP INTERFACE_SFP6: J23.12 TP61.1(TP) U43.4
SFP_RD_P_SFP INTERFACE_SFP1: J18.13 TP50.1(TP) U23.5
SFP_RD_P_SFP INTERFACE_SFP2: J19.13 TP51.1(TP) U27.5
SFP_RD_P_SFP INTERFACE_SFP3: J20.13 TP52.1(TP) U31.5
SFP_RD_P_SFP INTERFACE_SFP4: J21.13 TP53.1(TP) U35.5
SFP_RD_P_SFP INTERFACE_SFP5: J22.13 TP54.1(TP) U39.5
SFP_RD_P_SFP INTERFACE_SFP6: J23.13 TP55.1(TP) U43.5
SFP_TD_N_SFP INTERFACE_SFP1: C141.2 J18.19 R122.2 R126.1
SFP_TD_N_SFP INTERFACE_SFP2: C164.2 J19.19 R143.2 R147.1
SFP_TD_N_SFP INTERFACE_SFP3: C187.2 J20.19 R164.2 R168.1
SFP_TD_N_SFP INTERFACE_SFP4: C210.2 J21.19 R185.2 R189.1
SFP_TD_N_SFP INTERFACE_SFP5: C233.2 J22.19 R206.2 R210.1
SFP_TD_N_SFP INTERFACE_SFP6: C256.2 J23.19 R227.2 R231.1
SFP_TD_P_SFP INTERFACE_SFP1: C140.2 J18.18 R121.2 R123.1
SFP_TD_P_SFP INTERFACE_SFP2: C163.2 J19.18 R142.2 R144.1
SFP_TD_P_SFP INTERFACE_SFP3: C186.2 J20.18 R163.2 R165.1
SFP_TD_P_SFP INTERFACE_SFP4: C209.2 J21.18 R184.2 R186.1
SFP_TD_P_SFP INTERFACE_SFP5: C232.2 J22.18 R205.2 R207.1
SFP_TD_P_SFP INTERFACE_SFP6: C255.2 J23.18 R226.2 R228.1
SFP_TX_DISABLE6: IC9.19
SPARE_BNC_CONN_0: IC5.2 P1.1 R109.1 TP79.1(TP)
SPARE_BNC_CONN_1: IC5.3 P1.3 R108.1 TP78.1(TP)
SPARE_LEMO_CONN_0: IC4.2 P1.5 R105.1 TP77.1(TP)
SPARE_LEMO_CONN_1: IC4.3 P1.7 R104.1 TP76.1(TP)
SPARE_RJ45_CM: C127.1 C128.1 C129.1 J17.P1 R116.1 R117.1 TP27.1(TP)
SQUELCH_SFP INTERFACE_SFP1: R135.1 U23.27
SQUELCH_SFP INTERFACE_SFP2: R156.1 U27.27
SQUELCH_SFP INTERFACE_SFP3: R177.1 U31.27
SQUELCH_SFP INTERFACE_SFP4: R198.1 U35.27
SQUELCH_SFP INTERFACE_SFP5: R219.1 U39.27
SQUELCH_SFP INTERFACE_SFP6: R240.1 U43.27
SS_2V5: C85.1 U12.13
SS_3V3_1: C65.1 U9.13
SS_3V3_2: C76.1 U11.13
SS_5V: C57.1 U7.13
TEMP_ADDR: R253.1 U46.5 U46.6 U46.7
THRADJ_SFP INTERFACE_SFP1: C153.2 R134.2 U23.9
THRADJ_SFP INTERFACE_SFP2: C176.2 R155.2 U27.9
THRADJ_SFP INTERFACE_SFP3: C199.2 R176.2 U31.9
THRADJ_SFP INTERFACE_SFP4: C222.2 R197.2 U35.9
THRADJ_SFP INTERFACE_SFP5: C245.2 R218.2 U39.9
THRADJ_SFP INTERFACE_SFP6: C268.2 R239.2 U43.9
VP2V5: C79.1 C80.1 C83.1 R58.1 TP19.1(TP) U12.1 U12.2(SNS) U12.19 U12.20 U13.11
VP3V3: R52.2 R53.1 R54.1 U10.11
VP5V: C54.1 C55.1 C56.1 C58.2 R45.1 R46.1 TP15.1(TP) U7.1 U7.2(SNS) U7.19 U7.20 U8.11 U8.12(VDD)
VP5V5: C49.1 C50.1 C51.1 C52.1 C53.1 C60.1 C61.1 C70.1 C71.1 C77.1 C78.1 L6.2 R41.1 TP11.1(TP) U6.1 U7.14 U7.15 U7.16 U7.17 U9.14 U9.15 U9.16 U9.17 U11.14 U11.15 U11.16 U11.17 U12.14 U12.15 U12.16 U12.17
VP12V: C40.1 C42.1 C43.1 C44.1 FL1.2 TP9.1(TP) U6.4 U6.5 U6.6 U6.21 U6.22 U6.23(VIN6) U6.25
VREF_SFP INTERFACE_SFP1: C154.1 U23.3(VREF)
VREF_SFP INTERFACE_SFP2: C177.1 U27.3(VREF)
VREF_SFP INTERFACE_SFP3: C200.1 U31.3(VREF)
VREF_SFP INTERFACE_SFP4: C223.1 U35.3(VREF)
VREF_SFP INTERFACE_SFP5: C246.1 U39.3(VREF)
VREF_SFP INTERFACE_SFP6: C269.1 U43.3(VREF)
N00534: C1.1 R2.2 R4.1
N00638: C3.1 U1.4
N01590: R9.1 U1.7
N02344: R11.1 U2.7
N02878: IC1.5 R10.2
N89867: IC2.25 R21.2
N89871: IC2.4 R20.2
N89889: IC2.3 R22.2
N89893: IC2.48 R19.2
N90109: IC2.19 R26.2
N90113: IC2.17 R25.2
N90529: IC2.11 R23.2
N91101: C36.1 IC2.59
N91105: C37.1 IC2.58
N107878: IC2.39 R24.2
N127138: C1.2 U1.3
N140138: L6.1 U6.12 U6.13 U6.14 U6.15 U6.16
N146225: C62.1 C63.1 C64.1 R52.1 TP17.1(TP) U9.1 U9.2(SNS) U9.19 U9.20
N146320: R63.1 U9.6
N146332: R65.1 U9.11
N146446: R64.1 U9.10
N169083: D11.1(K) R68.1
N169234: D12.1(K) R69.1
N179430: C34.1 IC2.51
N179442: C35.1 IC2.50
N180853: C34.2 R27.1
N180901: C35.2 R28.1
N183488: C2.1 R5.1 U1.8
N183510: C2.2 R3.1
N183546: C4.2 R6.1
N185241: C72.1 C73.1 C75.1 R54.2 U11.1 U11.2(SNS) U11.19 U11.20
N199881: D9.2 Q8.2(S)
N199921: D9.1(K) R66.1
N224328: IC11.4 U23.16 U25.1
N224332: IC11.5 U23.22 U25.2
N224336: IC11.7 J18.2 R124.2 U24.1
N224340: IC11.6 J18.8 R125.2 U24.2
N224392: IC11.13 U31.16 U33.1
N224396: IC11.14 U31.22 U33.2
N224400: IC11.16 J20.2 R166.2 U32.1
N224404: IC11.15 J20.8 R167.2 U32.2
N224424: IC11.17 U35.16 U37.1
N224428: IC11.18 U35.22 U37.2
N224432: IC11.20 J21.2 R187.2 U36.1
N224436: IC11.19 J21.8 R188.2 U36.2
N224456: IC9.4 U39.16 U41.1
N224460: IC9.5 U39.22 U41.2
N224464: IC9.7 J22.2 R208.2 U40.1
N224468: IC9.6 J22.8 R209.2 U40.2
N224484: IC9.8 U43.16 U45.1
N224488: IC9.9 U43.22 U45.2
N224492: IC9.11 J23.2 R229.2 U44.1
N224496: IC9.10 J23.8 R230.2 U44.2
N245271: D5.2 Q4.2(S)
N245311: D5.1(K) R51.1
N245859: D4.2 Q3.2(S)
N245899: D4.1(K) R44.1
N246142: D6.2 Q5.2(S)
N246182: D6.1(K) R57.1
N266416: IC11.11 J19.2 R145.2 U28.1
N266420: IC11.10 J19.8 R146.2 U28.2
N267255: IC11.8 U27.16 U29.1
N267259: IC11.9 U27.22 U29.2
N280018: D7.2 Q6.2(S)
N280022: D7.1(K) R62.1
N304882: C17.1 U6.2
N322365: R70.1 U9.5
N322369: R112.1 U9.7
N322373: R113.1 U9.9
N323562: R114.1 U11.5
N323566: R115.1 U11.6
N323570: R118.1 U11.7
N323574: R255.1 U11.9
N323578: R256.1 U11.10
N323582: R257.1 U11.11
N324301: C4.1 R5.2 U1.9
N325169: R259.1 U12.6
N325173: R260.1 U12.7
N325177: R261.1 U12.9
N325181: R262.1 U12.10
N325185: R263.1 U12.11
N325191: R258.1 U12.5
N325916: R15.1 U3.7
N325952: R16.1 U3.6
N326883: C33.2 IC2.15
N326887: C32.2 IC2.14
N326891: C31.2 IC2.2
N326895: C30.2 IC2.1
N334368: IC2.8 U14.1
N334392: IC2.7 U14.2
N334434: IC2.10 U14.4
N339027: D2.2 Q1.2(S) R32.1
N339674: D1.1(CATHODE) R32.2 R33.1
N339693: D2.1(K) R34.1
N341781: R12.1 U2.6
N350589: J15.1 R110.1
N350593: J16.1 R111.1
N352210: J11.1 R106.1
N352214: J12.1 R107.1
N437368: J17.P6 J17.P7 J17.P8 J17.P9 R254.2
N437754: J17.P12 R43.2
N437768: J17.P13 R39.2
N575036: R93.1 U19.1
N575058: R94.1 U19.2
N575080: R95.1 U19.21
N575210: R102.1 U19.20
N575230: R103.1 U19.19
N576735: R81.1 U17.8
N576751: R82.1 U18.8
N634677: D10.2 Q9.2(S)
N634717: D10.1(K) R67.1
N635255: D8.2 Q7.2(S)
N635295: D8.1(K) R37.1
N637994: D15.2 Q12.2(S)
N638034: D15.1(CATHODE) R80.1
N638123: Q12.1 U16.4
N638285: R78.2 R79.1 U16.3
N638693: D14.2 Q11.2(S)
N638733: D14.1(K) R74.1
N639616: IC2.9(XB) U14.3(HOT2)
N665913: C123.2 R254.1
N716142: J9.1 Q2.2(S)
N716972: J25.1 Q13.2(S)

Pads without a net: IC1 6; IC2 5 20 21 53 54 55 56; IC3 7; IC9 20; J8 C2 C3 C6 C7 C8 C19 C22 C23 D4 D5 D29 D30 D31 D33 D35 G6 G7 G28 G33 G34 H1 H2; NOREF 1; NOREF#2 1; NOREF#3 1; NOREF#4 1; NOREF#5 1; NOREF#6 1; NOREF#7 1; NOREF#8 1; NOREF#9 1; NOREF#10 1; NOREF#11 1; U2 4 5 8; U3 4 5 8; U4 2; U6 11 27 28 29; U7 5 6 7 9 10 11 12; U8 9; U9 12; U10 2 9; U11 12; U12 12; U13 9; U16 5; U17 6 9; U22 13 16; U26 13 16; U30 13 16; U34 13 16; U38 13 16; U42 13 16

## Via types
v1: diameter 0.533, hole 0.254, TOP to BOTTOM, 1657 vias
v2: diameter 0.508, hole 0.254, TOP to BOTTOM, 42 vias
v3: diameter 0.762, hole 0.356, TOP to BOTTOM, 1 via
v4: diameter 0.56, hole 0.3, TOP to BOTTOM, 330 vias
v5: diameter 0.914, hole 0.406, TOP to BOTTOM, 5 vias